# KiCad board Wonderland.kicad_pcb (continued)
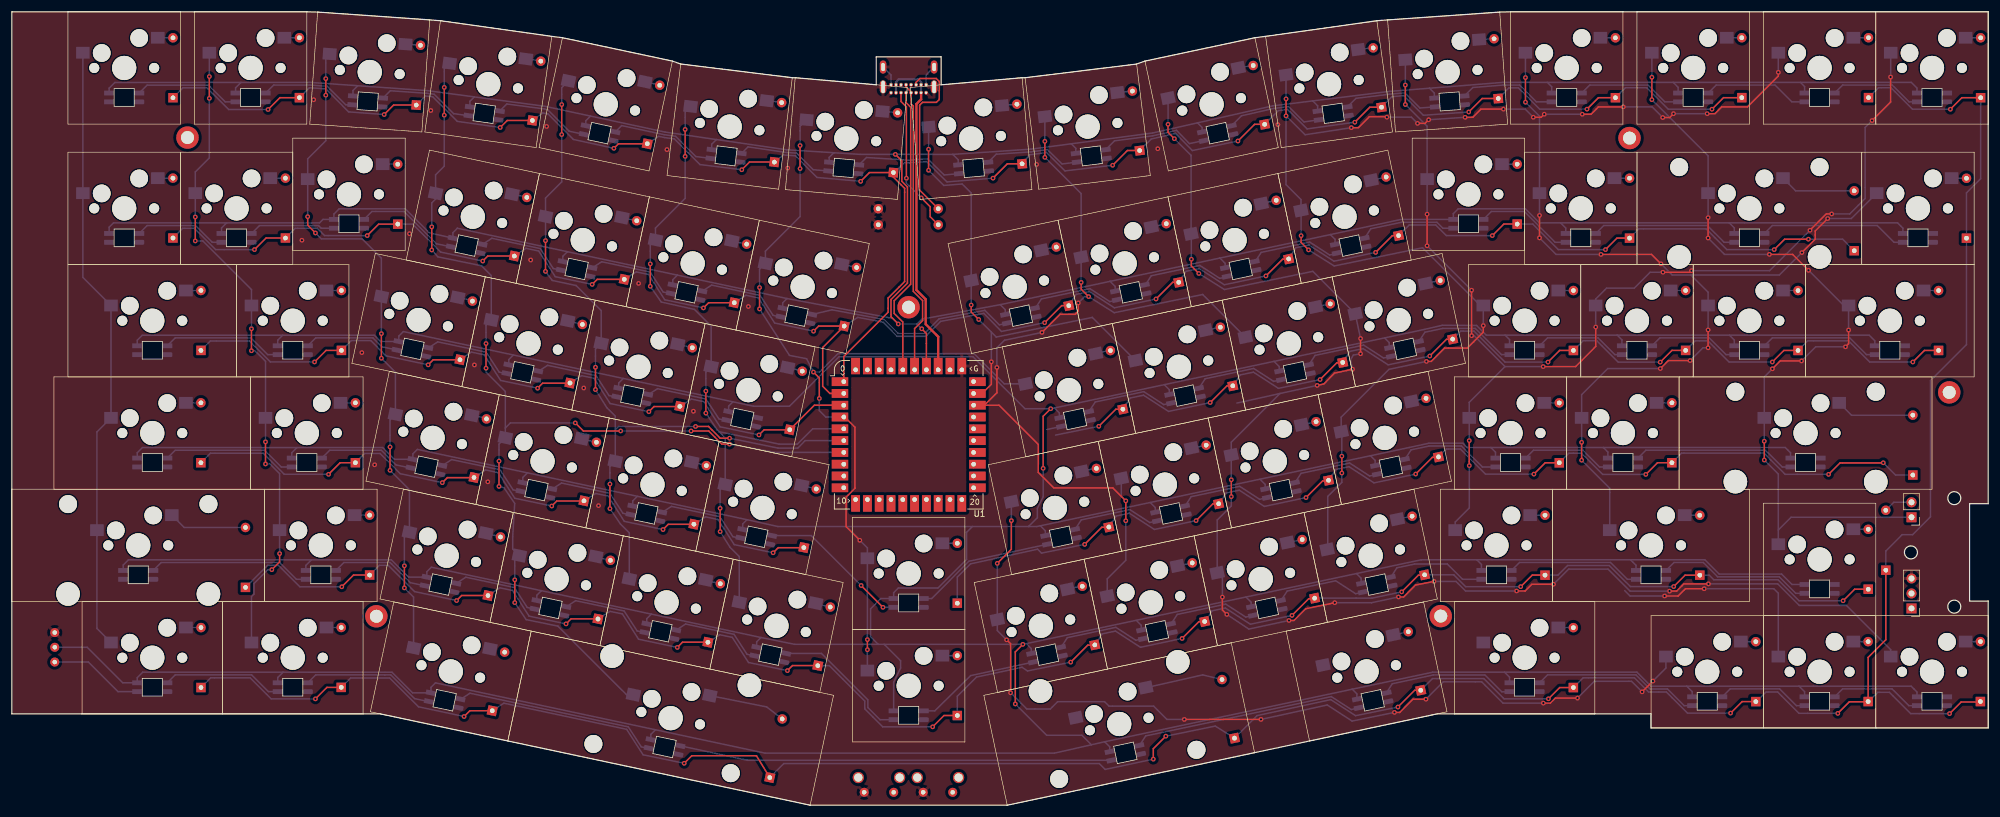
[diagram p0: board, top side]
## Nets (continued)
row04: DE0.1 DE1.1 DE2.1 DE3.1 DE4.1 DE5.1 DE6.1 DE7.1 DE8.1 DE9.1 DE10.1 DE11.1 DE12.1 DE13.1 U1.15
row05: DF0.1 DF1.1 DF2.1 DF3.1 DF4.1 DF5.1 DF6.1 DF7.1 DF8.1 DF9.1 DF10.1 DF11.1 DF12.1 DF13.1 U1.16
Net-(DA0-A): DA0.2 KA0.2
Net-(DA1-A): DA1.2 KA1.2
Net-(DA2-A): DA2.2 KA2.2
Net-(DA3-A): DA3.2 KA3.2
Net-(DA4-A): DA4.2 KA4.2
Net-(DA5-A): DA5.2 KA5.2
Net-(DA6-A): DA6.2 KA6.2
Net-(DA7-A): DA7.2 KA7.2
Net-(DA8-A): DA8.2 KA8.2
Net-(DA9-A): DA9.2 KA9.2
Net-(DA10-A): DA10.2 KA10.2
Net-(DA11-A): DA11.2 KA11.2
Net-(DA12-A): DA12.2 KA12.2
Net-(DA13-A): DA13.2 KA13.2
Net-(DB0-A): DB0.2 KB0.2
Net-(DB1-A): DB1.2 KB1.2
Net-(DB2-A): DB2.2 KB2.2
Net-(DB3-A): DB3.2 KB3.2
Net-(DB4-A): DB4.2 KB4.2
Net-(DB5-A): DB5.2 KB5.2
Net-(DB6-A): DB6.2 KB6.2
Net-(DB7-A): DB7.2 KB7.2
Net-(DB8-A): DB8.2 KB8.2
Net-(DB9-A): DB9.2 KB9.2
Net-(DB10-A): DB10.2 KB10.2
Net-(DB11-A): DB11.2 KB11.2
Net-(DB12-A): DB12.2 KB12.2
Net-(DB13-A): DB13.2 KB13.2
Net-(DC0-A): DC0.2 KC0.2
Net-(DC1-A): DC1.2 KC1.2
Net-(DC2-A): DC2.2 KC2.2
Net-(DC3-A): DC3.2 KC3.2
Net-(DC4-A): DC4.2 KC4.2
Net-(DC5-A): DC5.2 KC5.2
Net-(DC6-A): DC6.2 KC6.2
Net-(DC7-A): DC7.2 KC7.2
Net-(DC8-A): DC8.2 KC8.2
Net-(DC9-A): DC9.2 KC9.2
Net-(DC10-A): DC10.2 KC10.2
Net-(DC11-A): DC11.2 KC11.2
Net-(DC12-A): DC12.2 KC12.2
Net-(DD0-A): DD0.2 KD0.2
Net-(DD1-A): DD1.2 KD1.2
Net-(DD2-A): DD2.2 KD2.2
Net-(DD3-A): DD3.2 KD3.2
Net-(DD4-A): DD4.2 KD4.2
Net-(DD5-A): DD5.2 KD5.2
Net-(DD6-A): DD6.2 KD6.2
Net-(DD7-A): DD7.2 KD7.2
Net-(DD8-A): DD8.2 KD8.2
Net-(DD9-A): DD9.2 KD9.2
Net-(DD10-A): DD10.2 KD10.2
Net-(DD11-A): DD11.2 KD11.2
Net-(DD13-A): DD13.2 KD13.2
Net-(DE1-A): DE1.2 KE1.2
Net-(DE2-A): DE2.2 KE2.2
Net-(DE3-A): DE3.2 KE3.2
Net-(DE4-A): DE4.2 KE4.2
Net-(DE5-A): DE5.2 KE5.2
Net-(DE6-A): DE6.2 KE6.2
Net-(DE7-A): DE7.2 KE7.2
Net-(DE8-A): DE8.2 KE8.2
Net-(DE9-A): DE9.2 KE9.2
Net-(DE10-A): DE10.2 KE10.2
Net-(DE11-A): DE11.2 KE11.2
Net-(DE12-A): DE12.2 KE12.2
Net-(DE13-A): DE13.2 KE13.2
Net-(DF0-A): DF0.2 KF0.2
Net-(DF1-A): DF1.2 KF1.2
Net-(DF2-A): DF2.2 KF2.2
Net-(DF3-A): DF3.2 KF3.2
Net-(DF4-A): DF4.2 KF4.2
Net-(DF5-A): DF5.2 KF5.2
Net-(DF6-A): DF6.2 KF6.2
Net-(DF7-A): DF7.2 KF7.2
Net-(DF8-A): DF8.2 KF8.2
Net-(DF9-A): DF9.2 KF9.2
Net-(DF10-A): DF10.2 KF10.2
Net-(DF11-A): DF11.2 KF11.2
Net-(DF12-A): DF12.2 KF12.2
Net-(JUSB1-CC1): JUSB1.A5 R1.2
Net-(JUSB1-CC2): JUSB1.B5 R2.2

Pads without a net: JUSB1 A8 B8; MountTopMiddle1 1; MountTopMiddle2 1; MountTopMiddle3 1; MountTopMiddle4 1; MountTopMiddle5 1; MountTopMiddle6 1; RSW0 3; RSW1 3; U1 11 12 13 17 20 21 22 32 37 38

## Via types
v1: diameter 0.8, hole 0.4, Top to Bottom, 281 vias

## Routing (per net, layer and track width the routed paths; a pad name or vN(x,y) marks a point on that pad's centre or on a via; arc(x,y) is an arc through that point)
+5V: length 57.1
  Top w0.4: JUSB1.A9 154.12,119.71 153.33,118.92 153.33,87.36 154.9,85.79 154.9,81.57 157.02,79.45 U1.33
  Bottom w0.4: JUSB1.A9 JUSB1.B4 154.12,122.63 153.65,123.1 150.34,123.1 149.88,122.63 JUSB1.B9 JUSB1.A4
GND: length 7.1
  Bottom w0.254: JUSB1.P3 154.97,123.84 JUSB1.B1 ; JUSB1.P4 149.03,123.84 JUSB1.B12
  vias: v1(49.17,95.81) v1(51.16,119.64) v1(59.33,76.75) v1(61.5,57.73) v1(67.4,96.92) v1(71.02,117.81) v1(78.41,74.66) v1(80.68,54.84) v1(87.95,92.46) v1(90.65,115.11) v1(96.94,70.75) v1(99.44,50.8) v1(106.24,88.49) v1(111.05,111.18) v1(115.53,66.81) v1(124.85,84.57) v1(131.52,108.05) v1(173.69,108.66) v1(194.24,111.33) v1(214.59,115.41)
VCC: length 2108.4
  Top w0.254: v1(170.09,17.17) 170.09,26 v1(171.37,27.28) ; v1(176.09,67.24) 174.81,65.96 v1(174.81,57.13) ; U1.34 155.02,80 v1(154.23,80.79) ; v1(150.26,81.61) 149.03,82.84 149.03,85.77 151.81,88.55 151.81,104.85 150.85,105.81 150.85,109.28 v1(149.76,110.37)
  Bottom w0.254: 123.88,46.78 123.88,47.69 124.61,48.42 ; 50.78,41.61 64.33,41.61 67.26,38.68 KE2.3 ; 50.78,41.61 49.84,40.67 KE1.3 ; 50.78,41.61 19.76,41.61 18.88,40.73 KE0.3 ; KA12.3 261.01,121.84 260.27,122.58 ; 48.33,60.65 22.14,60.65 21.26,59.77 KD0.3 ; 48.33,60.65 62.87,60.65 64.86,58.66 KD2.3 ; 48.33,60.65 47.46,59.78 KD1.3 ; 240.29,121.59 233.5,121.05 220.5,119.44 ; 240.29,121.59 241.12,120.76 KA11.3 ; 240.29,121.59 252.76,122.58 260.27,122.58 ; 291.1,98.76 291.96,97.9 KB13.3 ; 291.1,98.76 262.51,98.76 ; 291.1,98.76 319.63,98.76 320.54,97.85 KF12.3 ; 112.81,89.89 112.81,89.89 112.03,89.11 KB5.3 ; 112.81,89.89 94.18,93.86 ; 112.81,89.89 131.39,85.92 ; 71.11,40.36 70.35,39.6 70.35,38.68 ; 153.41,81.61 v1(154.23,80.79) ; 153.41,81.61 154.31,82.44 167.53,84.88 ; 153.41,81.61 v1(150.26,81.61) 149.32,82.55 131.39,85.92 ; 227.99,18.01 227.99,18.88 227.2,19.67 ; 283.9,20.18 277.84,20.18 275.46,22.56 253.01,22.56 ; 283.9,20.18 302.94,20.18 ; 283.9,20.18 284.82,19.26 KF7.3 ; 174.33,47.38 175.18,46.54 175.18,45.72 ; 269.76,60.66 300.6,60.66 301.49,59.77 KD13.3 ; 269.76,60.66 270.53,59.89 KD12.3 ; 269.76,60.66 250.69,60.66 ; 45.97,22.55 22.19,22.56 21.26,21.63 KF0.3 18.8,20.76 12.78,26.78 J4.2 ; 45.97,22.55 63.25,22.55 64.44,22.55 67.93,19.06 KF2.3 ; 45.97,22.55 45.08,21.66 KF1.3 ; 176.71,67.36 177.56,66.52 177.56,65.7 ; 147.86,27.28 171.37,27.28 v1(171.37,27.28) 238.89,41.62 248.31,41.62 ; 147.86,27.28 150.65,24.49 150.65,23.26 149.47,20.86 KE6.3 ; 147.86,27.28 146.85,27.28 ; 204.76,92.79 223.49,96.77 ; 204.76,92.79 186.16,88.84 ; 204.76,92.79 205.65,91.9 KB9.3 ; 223.49,96.77 235.49,99.34 KB11.3 244.34,100.32 244.34,100.32 245.16,101.14 256.55,101.14 258.93,98.76 262.51,98.76 ; 223.49,96.77 223.49,96.77 224.29,95.97 KB10.3 ; 154.1,76.07 162.9,76.07 162.9,76.07 171.73,67.24 176.13,67.24 239.37,80.67 242.47,81.39 248.27,81.36 249.92,79.71 253.11,79.71 ; 154.1,76.07 154.11,76.07 155.02,75.16 U1.34 ; 154.1,76.07 140.22,76.07 131.81,67.66 125.72,67.66 66.36,80.32 ; 162.82,47.26 129.85,47.26 124.61,48.42 68.74,60.34 ; 162.82,47.26 172.36,47.26 ; 162.82,47.26 161.83,46.27 161.83,41.68 156.98,36.83 150.26,36.83 149.47,36.04 KD6.3 147.31,35.05 145.56,33.3 145.56,28.57 146.85,27.28 ; 200.97,115.72 201.75,114.94 KA9.3 ; 200.97,115.72 193.36,114 179.57,112.17 ; 200.97,115.72 213.72,118.6 220.5,119.44 ; 303.17,122.58 281.6,122.58 ; 303.17,122.58 321.96,122.58 322.92,121.62 KF11.3 ; 303.17,122.58 303.87,121.88 KF10.3 ; 281.6,122.58 260.27,122.58 ; 281.6,122.58 282.44,121.74 KA13.3 ; 103.64,72.37 102.87,71.59 102.87,70.73 ; 38.84,122.57 37.93,121.66 KA1.3 ; 38.84,122.57 17.46,122.56 16.5,121.6 KA0.3 ; 38.84,122.57 50.54,122.58 58.64,122.01 ; 302.94,20.18 321.94,20.18 322.92,19.2 KF9.3 ; 302.94,20.18 303.87,19.25 KF8.3 ; 262.51,98.76 263.39,97.88 KB12.3 ; 71.05,19.07 71.05,19.99 71.81,20.74 ; KC11.3 272.91,78.92 272.12,79.71 ; 195.34,71.32 196.19,70.46 196.19,69.67 ; 192.96,51.34 193.81,50.48 193.81,49.69 ; 213.94,75.27 214.83,74.38 214.83,73.63 ; 86.61,54.7 86.61,55.58 87.39,56.36 ; 94.18,93.86 75.52,97.84 75.52,97.84 74.76,97.08 KB3.3 ; 94.18,93.86 94.17,93.86 93.4,93.09 KB4.3 ; 233.46,77.59 233.46,78.45 232.67,79.25 ; 107.62,30.76 107.62,31.63 108.4,32.4 ; 248.31,41.62 274.37,41.62 ; 248.31,41.62 249.1,40.83 KE11.3 ; KC12.3 291.96,78.88 291.13,79.71 ; 274.37,41.62 275.29,40.7 KE12.3 ; 274.37,41.62 286.97,41.62 289.39,39.2 299.97,39.2 301.74,37.43 KE13.3 ; KA6.3 138.54,109.86 139.33,110.65 139.33,110.65 ; 253.01,22.56 240.84,22.56 227.19,19.67 185.23,10.76 ; 253.01,22.56 253.86,21.71 KF6.3 ; 230.29,59.27 231.08,58.47 231.08,57.61 ; 139.33,110.65 131.31,111.15 119.42,112.88 ; 139.33,110.65 143.79,110.37 150.85,110.37 159.49,110.37 ; 71.81,20.75 127.68,8.83 176.72,8.83 182.99,10.25 ; 220.5,119.44 221.34,118.6 KA10.3 ; 122.23,68.4 121.5,67.68 121.5,66.77 ; 185.23,10.76 186.09,9.9 KF4.3 ; 185.23,10.76 182.99,10.25 ; 159.49,110.37 160.42,109.44 KA7.3 ; 159.49,110.37 159.49,110.37 172.76,111.26 179.57,112.17 ; 186.16,88.84 187.02,87.98 KB8.3 ; 186.16,88.84 167.53,84.88 ; KD11.3 251.48,59.87 250.69,60.66 ; 58.64,122.01 70.43,121.18 78.39,120.12 ; 58.64,122.01 57.83,121.2 KA2.3 ; 108.32,11.15 108.32,12.01 109.1,12.79 ; 191.43,29.71 191.43,30.5 190.58,31.36 ; 272.12,79.71 253.11,79.71 ; 272.12,79.71 291.13,79.71 ; 253.11,79.71 253.86,78.96 KC10.3 ; 84.23,74.69 84.23,75.57 85.01,76.34 ; 291.13,79.71 314.82,79.71 315.77,78.76 KC13.3 ; KC2.3 62.5,78.64 61.44,79.7 45.91,79.7 ; 167.53,84.88 167.54,84.88 168.38,84.04 KB7.3 ; KB0.3 16.5,98.02 17.23,98.75 36.41,98.75 ; 119.42,112.88 119.42,112.88 118.63,112.09 KA5.3 ; 119.42,112.88 110.73,114.15 98.08,116.86 ; 131.39,85.92 131.39,85.92 130.66,85.19 KB6.3 ; 172.8,25.74 172.8,26.56 171.95,27.4 ; 211.56,55.29 212.45,54.4 212.45,53.65 ; KA3.3 77.65,119.38 78.39,120.12 78.39,120.12 ; 78.39,120.12 90.36,118.52 98.08,116.86 ; 45.08,77.91 45.08,78.87 45.91,79.7 ; 126.25,26.8 126.25,27.71 126.98,28.44 132.71,27.28 146.85,27.28 ; 68.74,60.34 67.98,59.58 67.98,58.66 ; 126.98,28.44 108.4,32.4 71.11,40.36 ; 182.99,10.25 181.38,11.86 175.4,11.86 v1(170.09,17.17) ; KB1.3 35.55,97.89 36.41,98.75 ; 172.36,47.26 173.75,47.26 236.84,60.66 240.21,61.39 245.95,61.39 246.68,60.66 250.69,60.66 ; 172.36,47.26 172.36,47.29 173.83,48.76 173.83,50.33 174.82,52.3 174.82,57.12 v1(174.81,57.13) ; KC0.3 21.26,78.85 22.11,79.7 45.91,79.7 ; 210.07,33.67 210.07,34.42 209.18,35.31 ; 36.41,98.75 52.15,98.75 52.74,99.34 KB2.3 54.6,100.25 55.49,101.14 66.69,101.14 70.77,97.06 74.77,96.16 ; 66.36,80.32 65.6,79.56 65.6,78.65 ; 179.57,112.17 179.57,112.17 180.35,111.39 KA8.3 ; 227.91,39.29 228.7,38.49 228.7,37.63 ; 98.08,116.86 98.08,116.86 97.29,116.07 KA4.3 ; 88.98,34.72 88.98,35.6 89.76,36.38 ; 106.03,52.38 105.25,51.61 105.25,50.74
/IN_A0: length 18.1
  Bottom w0.254: KA0.6 22.93,122.11 33.34,122.11 36.17,119.28 KA1.4
/IN_A1: length 16.6
  Bottom w0.254: KA1.6 44.38,122.12 50.56,122.12 53.45,121.92 56.59,118.78 KA2.4
/IN_A2: length 16.4
  Bottom w0.254: 77.43,116.92 74.89,117.28 74.88,117.28 71.59,120.57 70.35,120.73 64.15,121.16 KA2.6
/IN_A3: length 16.4
  Bottom w0.254: KA3.6 83.9,118.91 90.28,118.07 90.81,117.96 94.47,114.3 94.48,114.3 96.98,113.76
/IN_A4: length 18.3
  Bottom w0.254: KA4.6 103.36,115.25 110.58,113.71 112.51,113.43 115.95,110 118.49,109.68
/IN_A5: length 16.4
  Bottom w0.254: KA5.6 124.78,111.64 131.32,110.69 133.02,110.59 135.83,107.77 138.39,107.55
/IN_A6: length 18.6
  Bottom w0.254: 160.59,107.1 158.03,106.88 155.21,109.62 152.03,109.39 144.86,109.84 KA6.6
/IN_A7: length 16.7
  Bottom w0.254: 180.55,109.06 178.01,108.74 175.53,111.17 172.77,110.8 166.86,110.4 KA7.6
/IN_A8: length 18.5
  Bottom w0.254: KA8.6 186.91,112.67 193.39,113.52 197.42,114.45 199.6,112.19 202.1,112.73
/IN_A9: length 16.8
  Bottom w0.254: KA9.6 208.43,116.92 213.83,118.15 216.42,118.47 219.01,115.87 221.55,116.23
/IN_A10: length 16.6
  Bottom w0.254: 241.23,118.42 238.67,118.24 236.1,120.8 233.53,120.58 227.83,119.87 KA10.6
/IN_A11: length 16.6
  Bottom w0.254: 260.97,119.28 258.41,119.28 255.56,122.13 252.78,122.13 247.64,121.71 KA11.6
/IN_A12: length 18.1
  Bottom w0.254: KA12.6 267.46,122.13 277.33,122.13 280.19,119.28 KA13.4
/IN_A13: length 18.1
  Bottom w0.254: KF10.4 301.71,119.28 298.86,122.13 288.89,122.13 KA13.6
/IN_B0: length 15.7
  Bottom w0.254: KB1.4 33.98,95.46 31.14,98.3 22.93,98.3 KB0.6
/IN_B1: length 14.7
  Bottom w0.254: KB2.4 52.45,97.84 51.99,98.3 41.98,98.3 KB1.6
/IN_B2: length 17.6
  Bottom w0.254: 74.45,94.68 71.95,95.22 66.48,100.68 66.48,100.69 61.04,100.69 KB2.6
/IN_B3: length 15.7
  Bottom w0.254: 79.76,95.1 81.36,96.14 89.58,94.39 91.78,91.01 93.09,90.73
/IN_B4: length 15.7
  Bottom w0.254: 98.38,91.12 99.98,92.16 108.2,90.41 110.4,87.03 111.71,86.75
/IN_B5: length 15.7
  Bottom w0.254: 130.34,82.79 129.03,83.07 126.83,86.45 118.61,88.2 117.01,87.16
/IN_B6: length 36.5
  Bottom w0.254: KB6.6 139.02,84.01 147.87,82.36 150.23,80 154.69,80 157.19,82.49 164.93,83.91 164.93,83.91 167.38,81.46 168.69,81.74
/IN_B7: length 15.7
  Bottom w0.254: 187.43,85.68 186.11,85.4 182.73,87.6 174.51,85.85 173.47,84.25
/IN_B8: length 15.7
  Bottom w0.254: 206.06,89.62 204.74,89.34 201.36,91.54 193.14,89.79 192.1,88.19
/IN_B9: length 15.7
  Bottom w0.254: 224.69,93.58 223.37,93.3 219.99,95.5 211.77,93.75 210.73,92.15
/IN_B10: length 16.4
  Bottom w0.254: KB11.4 242.57,97.84 241.56,98.85 235.51,98.85 230.34,97.75 229.3,96.15
/IN_B11: length 16.7
  Bottom w0.254: KB12.4 261.59,95.46 256.36,100.69 250.78,100.69 KB11.6
/IN_B12: length 25.2
  Bottom w0.254: KB13.4 290.23,95.46 287.38,98.31 269.83,98.31 KB12.6
/IN_B13: length 25.2
  Bottom w0.254: KB13.6 298.41,98.31 316.18,98.31 319.03,95.46 KF12.4
/IN_C0: length 20.4
  Bottom w0.254: KC0.6 27.7,79.25 40.53,79.25 43.37,76.41 45.08,76.41
/IN_C1: length 16.3
  Bottom w0.254: 65.22,77.21 62.71,77.74 61.2,79.25 51.51,79.25 KC1.6
/IN_C2: length 15.7
  Bottom w0.254: 83.92,73.17 82.61,73.44 80.41,76.83 72.19,78.57 70.59,77.53
/IN_C3: length 15.7
  Bottom w0.254: 89.21,73.55 90.81,74.59 99.03,72.85 101.23,69.46 102.54,69.19
/IN_C4: length 15.7
  Bottom w0.254: 121.17,65.23 119.86,65.5 117.66,68.89 109.44,70.63 107.84,69.59
/IN_C5: length 2.6
  Bottom w0.254: 175.41,63.71 177.92,64.24
/IN_C6: length 15.7
  Bottom w0.254: 182.6,66.78 183.64,68.38 191.86,70.13 195.24,67.94 196.56,68.22
/IN_C7: length 15.7
  Bottom w0.254: 201.23,70.72 202.27,72.32 210.49,74.07 213.87,71.87 215.19,72.15
/IN_C8: length 15.7
  Bottom w0.254: 233.82,76.11 232.5,75.83 229.12,78.03 220.9,76.28 219.86,74.68
/IN_C9: length 18.1
  Bottom w0.254: 238.48,78.61 239.52,80.21 242.55,80.86 248.05,80.86 252.5,76.41 253.84,76.41
/IN_C10: length 15.7
  Bottom w0.254: KC10.6 260.31,79.26 268.85,79.26 271.7,76.41 KC11.4
/IN_C11: length 15.7
  Bottom w0.254: KC11.6 279.36,79.26 287.7,79.26 290.55,76.41 KC12.4
/IN_C12: length 20.4
  Bottom w0.254: KC12.6 298.41,79.26 311.51,79.26 314.36,76.41 KC13.4
/IN_D0: length 22.8
  Bottom w0.254: KD1.4 45.67,57.36 42.83,60.2 27.7,60.2 KD0.6
/IN_D1: length 16.7
  Bottom w0.254: KD1.6 53.89,60.2 62.64,60.2 65.13,57.71 67.63,57.17
/IN_D2: length 15.7
  Bottom w0.254: 72.95,57.57 74.55,58.61 82.77,56.87 84.97,53.48 86.28,53.21
/IN_D3: length 15.7
  Bottom w0.254: 91.57,53.59 93.17,54.63 101.39,52.89 103.59,49.5 104.9,49.23
/IN_D4: length 15.7
  Bottom w0.254: 110.2,49.63 111.8,50.67 120.02,48.93 122.22,45.54 123.53,45.27
/IN_D5: length 25.7
  Top w0.254: v1(147.66,33.56) v1(143.96,37.26)
  Bottom w0.254: KD5.6 135.5,45.72 v1(143.96,37.26) ; v1(147.66,33.56) 147.67,33.55 KD6.4
/IN_D6: length 23.9
  Bottom w0.254: KD7.4 162.21,41.37 155.92,35.05 KD6.6
/IN_D7: length 15.7
  Bottom w0.254: 180.23,46.78 181.27,48.38 189.49,50.13 192.87,47.94 194.19,48.22
/IN_D8: length 15.7
  Bottom w0.254: 212.82,52.15 211.5,51.87 208.12,54.07 199.9,52.32 198.86,50.72
/IN_D9: length 15.7
  Bottom w0.254: 217.49,54.68 218.53,56.28 226.75,58.03 230.13,55.83 231.45,56.11
/IN_D10: length 17.7
  Bottom w0.254: 236.14,58.66 237.18,60.27 240.21,60.91 245.71,60.91 249.26,57.36 KD11.4
/IN_D11: length 15.7
  Bottom w0.254: KD11.6 257.92,60.21 266.27,60.21 269.12,57.36 KD12.4
/IN_D12: length 27.6
  Bottom w0.254: KD12.6 276.97,60.21 297.23,60.21 300.08,57.36 KD13.4
/IN_E0: length 27.6
  Bottom w0.254: KE1.4 48.24,38.31 45.39,41.16 25.32,41.16 KE0.6
/IN_E1: length 17.1
  Bottom w0.254: KE1.6 56.28,41.16 64.13,41.16 64.35,40.94 64.35,40.93 67.55,37.74 70.05,37.2
/IN_E2: length 15.7
  Bottom w0.254: 75.35,37.62 76.95,38.66 85.17,36.92 87.37,33.53 88.68,33.26
/IN_E3: length 15.7
  Bottom w0.254: 93.97,33.64 95.57,34.68 103.79,32.94 105.99,29.55 107.3,29.28
/IN_E4: length 15.7
  Bottom w0.254: 125.93,25.32 124.62,25.59 122.42,28.98 114.2,30.72 112.6,29.68
/IN_E5: length 23.7
  Bottom w0.254: KE5.6 137.23,25.74 145.1,17.87 145.1,16.56 147.16,14.5 KE6.4
/IN_E6: length 21.3
  Bottom w0.254: 173.2,24.28 170.69,23.75 162.52,21.98 156.44,16 KE6.6
/IN_E7: length 15.7
  Bottom w0.254: 191.83,28.25 190.51,27.97 187.13,30.16 178.91,28.41 177.87,26.81
/IN_E8: length 15.7
  Bottom w0.254: 210.46,32.18 209.14,31.9 205.76,34.1 197.54,32.35 196.5,30.75
/IN_E9: length 15.7
  Bottom w0.254: 215.13,34.71 216.17,36.31 224.39,38.06 227.77,35.86 229.09,36.14
/IN_E10: length 17.4
  Bottom w0.254: KE11.4 245.9,38.31 243.3,40.91 237.8,40.91 234.77,40.26 233.73,38.66
/IN_E11: length 22.8
  Bottom w0.254: KE12.4 273.83,38.31 270.97,41.17 255.55,41.17 KE11.6
/IN_E12: length 26.2
  Bottom w0.254: KE12.6 281.75,41.17 286.7,41.17 289.14,38.73 299.57,38.73 302.37,35.93 KE13.4
/IN_F0: length 20.4
  Bottom w0.254: KF1.4 43.49,19.26 40.65,22.1 27.7,22.1 KF0.6
/IN_F1: length 22.9
  Bottom w0.254: 70.77,17.54 68.27,18.08 64.25,22.1 63.2,22.1 51.51,22.1 KF1.6
/IN_F2: length 34.7
  Bottom w0.254: 108,9.62 106.69,9.9 104.49,13.28 77.65,18.99 76.05,17.95
/IN_F3: length 73.4
  Bottom w0.254: KF4.4 124.65,7.62 ; KF3.6 124.68,7.62
/IN_F4: length 39.4
  Bottom w0.254: 228.34,16.5 227.03,16.22 223.65,18.42 192.19,11.75 191.15,10.15
/IN_F5: length 23.2
  Bottom w0.254: 232.95,19 233.99,20.6 240.94,22.09 249.7,22.08 252.55,19.23 253.89,19.23
/IN_F6: length 28.6
  Bottom w0.254: KF6.6 260.31,22.11 275.27,22.11 277.67,19.71 280.63,19.71 283.46,16.88 KF7.4
/IN_F7: length 15.7
  Bottom w0.254: KF7.6 291.26,19.73 299.64,19.73 302.49,16.88 KF8.4
/IN_F8: length 15.7
  Bottom w0.254: KF8.6 310.31,19.73 318.69,19.73 321.54,16.88 KF9.4
/IN_F10: length 15.7
  Bottom w0.254: KF10.6 310.32,122.13 318.72,122.13 321.57,119.28 KF11.4
/KC13_out: length 2.6
  Bottom w0.254: DC13.2 324.03,87.28 KC13.2
/KD12_out: length 2.6
  Bottom w0.254: KD12.2 281.37,68.23 DD12.2
/KE0_out: length 13.3
  Bottom w0.254: DE0.2 29.21,47.1 KE0.2
/SW99B: length 4.9
  Bottom w0.254: DF13.2 318.99,51.37 J2.2
col00: length 104
  Bottom w0.254: 12.05,127.61 KB0.1 12.05,89.51 KC0.1 KD0.1 14.43,63.31 KE0.1 14.43,29.97 KF0.1
col01: length 110.8
  Top w0.254: v1(31.1,99.76) v1(31.1,95.69) ; v1(44.07,39.94) 45.39,41.26 v1(45.39,42.67) ; v1(40.62,80.8) v1(40.62,77.07) ; v1(43,61.62) v1(43,57.87) ; v1(33.48,123.57) v1(33.48,119.87)
  Bottom w0.254: v1(43,61.62) 43.01,61.63 KD1.1 43.01,75.27 41.21,77.07 v1(40.62,77.07) ; v1(33.48,123.57) 33.48,123.57 33.48,127.61 ; v1(44.07,39.94) 43.4,39.94 41.05,37.59 41.05,35.8 40.63,35.38 KF1.1 ; v1(31.1,99.76) KB1.1 31.1,107.39 33.48,109.77 v1(33.48,119.87) ; v1(31.1,95.69) 32.38,95.69 40.62,87.45 KC1.1 40.62,80.81 v1(40.62,80.8) ; v1(43,57.87) 43.75,57.87 45.39,56.23 KE1.1 45.39,42.67 v1(45.39,42.67)
col02: length 115.2
  Top w0.254: v1(66.54,40.6) v1(66.54,36.85) ; v1(62.64,79.97) v1(62.64,75.8) ; v1(50.15,99.81) 50.15,98.36 v1(51.47,97.04) ; v1(64.11,60.75) v1(64.11,56.79) ; v1(53.22,123.21) v1(53.22,120.41)
  Bottom w0.254: v1(53.22,123.21) 53.22,126.75 KA2.1 ; v1(62.64,75.8) 65.02,73.42 KD2.1 64.11,65.36 v1(64.11,60.75) ; v1(50.15,99.81) KB2.1 50.15,109.61 53.22,112.68 v1(53.22,120.41) ; v1(62.64,79.97) 62.64,79.97 KC2.1 62.64,92.77 59.37,96.04 52.47,96.04 v1(51.47,97.04) ; KF2.1 68.1,35.29 v1(66.54,36.85) ; v1(66.54,40.6) 66.54,45.43 KE2.1 67.4,53.5 v1(64.11,56.79)
col03: length 189.9
  Top w0.254: v1(85.25,38.22) v1(85.25,34.36) ; v1(103.2,63.47) 96.87,63.47 v1(95.51,64.83) ; v1(115.14,63.46) 118.12,63.46 120.34,61.24 v1(121.65,61.24) ; v1(71.18,98.08) v1(71.18,94.16) ; v1(82.58,54.07) v1(82.58,58.35) ; v1(73.3,121.73) v1(73.3,117.02) ; v1(80.38,78.29) v1(80.38,74.11)
  Bottom w0.254: KF3.1 104.19,18.74 92.56,30.37 87.18,31.47 v1(85.25,34.36) ; U1.7 129.31,59.84 v1(121.65,61.24) ; KA3.1 73.3,124.91 v1(73.3,121.73) ; 83.65,63.97 84.51,64.83 v1(95.51,64.83) ; 83.65,63.97 83.65,70.17 80.38,73.44 v1(80.38,74.11) ; 83.65,63.97 KD3.1 82.58,61.24 v1(82.58,58.35) ; v1(71.18,98.08) 71.18,102.14 71.83,102.79 KB3.1 71.83,106.9 73.3,108.37 v1(73.3,117.02) ; v1(103.2,63.47) 103.21,63.46 v1(115.14,63.46) ; v1(71.18,94.16) 72.22,92.99 79.61,91.48 81.27,89.82 KC3.1 80.38,81.4 v1(80.38,78.29) ; v1(82.58,54.07) 83.44,53.81 85.24,51.18 84.9,45.51 84.9,43.46 KE3.1 85.25,41.54 v1(85.25,38.22)
col04: length 135.1
  Top w0.254: v1(101.38,54.46) v1(101.38,50.3) ; v1(98.93,74.27) v1(98.93,70.49) ; v1(121.66,62.24) 120.08,62.24 118.09,64.23 v1(115.89,64.23) ; v1(93.21,118.82) v1(93.21,113.73) ; v1(90.46,95.74) v1(90.46,90.53)
  Bottom w0.254: U1.6 134.47,61.83 133.23,60.56 129.87,60.56 v1(121.66,62.24) ; v1(98.93,74.27) 98.93,77.36 KC4.1 99.9,83.88 95.65,88.13 95.65,88.13 91.6,88.99 v1(90.46,90.53) ; v1(93.21,113.73) 93.21,105.71 90.46,102.96 KB4.1 90.46,95.74 v1(90.46,95.74) ; v1(101.38,50.3) 103.16,47.69 104.67,46.18 KE4.1 ; v1(101.38,54.46) 101.38,57.44 KD4.1 102.29,63.63 ; KA4.1 93.21,121.68 v1(93.21,118.82) ; v1(115.89,64.23) 102.89,64.23 102.29,63.63 ; 102.29,63.63 102.29,65.98 100.84,67.43 v1(98.93,70.49)
col05: length 118.6
  Top w0.254: v1(108.22,91.8) v1(108.22,88) ; v1(117.64,70.22) v1(117.64,66.49) ; v1(120.06,50.35) v1(120.06,46.4) ; v1(114.13,114.6) v1(114.13,110.03)
  Bottom w0.254: KA5.1 114.13,117.58 v1(114.13,114.6) ; U1.5 135.75,63.83 133.15,61.23 130.07,61.23 119.9,63.34 ; v1(117.64,66.49) 119.54,63.68 120.92,62.3 KD5.1 120.06,53.53 v1(120.06,50.35) ; v1(117.64,70.22) 117.64,73.47 KC5.1 118.54,81.24 115.7,84.08 110.08,85.33 v1(108.22,88) ; KE5.1 123.3,42.17 121.75,43.72 v1(120.06,46.4) ; v1(108.22,91.8) 108.22,94.97 KB5.1 109.1,97.88 114.13,102.91 v1(114.13,110.03)
col06: length 147.1
  Top w0.254: U1.4 141.17,65.83 142.9,64.1 142.9,53.73 141.42,52.25 141.42,47.24 v1(143.73,44.93) ; v1(136.87,68.98) 136.87,72.46 v1(135.88,73.45) ; v1(145.02,28.08) v1(145.02,26.37) ; v1(133.61,111.87) v1(133.61,107.96) ; v1(126.74,87.78) v1(126.74,84.16)
  Bottom w0.254: v1(143.73,44.93) 145.02,43.64 KD6.1 145.02,37.29 145.02,37.29 v1(145.02,28.08) ; KC6.1 168.21,71.46 163.09,76.58 140.03,76.58 136.9,73.45 v1(135.88,73.45) 134.71,75.72 131.81,76.28 v1(126.74,84.16) ; v1(133.61,107.96) 133.61,99.83 127.73,93.95 KB6.1 126.74,90.9 v1(126.74,87.78) ; v1(133.61,111.87) 133.61,115.14 KA6.1 ; KE6.1 145.02,26.37 v1(145.02,26.37) ; v1(136.87,68.98) 136.87,66.92 137.96,65.83 U1.4
col07: length 240.9
  Top w0.254: v1(167.03,41.01) 169.42,43.4 v1(169.42,48.26) ; U1.29 164.47,69.83 166.03,71.39 v1(166.03,75.2) ; v1(211.73,14.55) v1(198.74,14.55) ; v1(234.35,15.74) 235.26,15.74 237.5,17.98 v1(239.69,17.98) ; 162.62,84.78 162.62,83.64 v1(163.89,82.37) ; v1(259.59,17.31) 260.78,17.31 261.64,18.17 v1(265.38,18.17) ; v1(278.16,21.05) v1(276.33,19.22) ; 169.29,19.05 169.29,27.37 v1(168.61,28.05) ; v1(155.39,111.24) v1(155.39,107.68)
  Bottom w0.254: v1(169.29,19.07) 172.04,16.32 176.03,16.32 177.27,17.56 185.21,17.56 185.97,16.8 193.54,16.8 195.79,14.55 v1(198.74,14.55) ; v1(162.61,84.82) 162.61,84.82 KB7.1 162.61,103.82 161.08,105.35 157.97,105.1 v1(155.39,107.68) ; KC7.1 183.14,82.72 183.14,82.72 166.87,79.4 166.86,79.4 166.03,80.23 ; v1(234.35,15.74) 227.17,14.27 222.96,17 v1(211.73,14.55) ; 166.03,80.23 v1(166.03,75.2) ; 166.03,80.23 v1(163.89,82.37) ; v1(265.38,18.17) 268.22,21.01 274.54,21.01 v1(276.33,19.22) ; KA7.1 v1(155.39,111.24) ; v1(239.69,17.98) 242.64,20.93 249.13,20.93 252.75,17.31 v1(259.59,17.31) ; v1(278.16,21.05) 280.37,23.26 KF7.1 ; v1(169.42,48.26) 169.42,48.26 KD7.1 ; v1(167.03,41.01) 167.04,41 KE7.1 167.04,29.62 v1(168.61,28.05)
col08: length 191.1
  Top w0.254: v1(174.61,80.18) 177.68,83.25 180.25,83.25 180.76,83.76 v1(180.76,85.18) ; v1(188.82,48.24) v1(188.82,51.61) 186.62,53.81 176.6,53.81 173.98,56.43 173.98,61.18 167.33,67.83 U1.28 164.85,67.83 166.97,69.95 v1(166.97,74.24) ; v1(286.85,36.71) 283.68,36.71 282.45,35.48 v1(280.14,35.48) ; v1(181.25,88.66) 181.25,87.52 v1(182.52,86.25) ; v1(175.1,112.58) v1(175.1,109.87)
  Bottom w0.254: v1(188.82,51.61) 188.06,52.37 KD8.1 ; v1(180.76,85.18) 181.83,86.25 v1(182.52,86.25) 186.86,83.52 201.84,86.61 201.85,86.61 KC8.1 ; KF8.1 299.42,35.95 298.66,36.71 v1(286.85,36.71) ; KA8.1 175.1,112.58 v1(175.1,112.58) ; v1(280.14,35.48) 274.29,35.48 273.38,36.39 ; v1(188.82,48.24) 188.82,41.53 185.68,38.39 KE8.1 ; v1(181.25,88.66) 181.25,88.66 KB8.1 181.25,103.72 181.25,103.72 v1(175.1,109.87) ; v1(174.61,80.18) 168.26,78.85 166.97,77.56 v1(166.97,74.24)
col09: length 261.9
  Top w0.254: v1(287.58,37.53) 283.4,37.53 282.18,36.31 v1(280.98,36.31) ; v1(197.05,113.03) 195.98,114.1 v1(195.98,115.47) ; v1(199.93,92.59) 199.93,91.45 v1(201.2,90.18) ; v1(227.25,73.93) 224.17,73.27 222.4,71.44 v1(221.26,71.19) ; v1(255.06,36.33) 256.52,36.33 257.66,37.47 v1(261.31,37.47) ; v1(241.06,37.95) 237.92,37.34 235.91,35.32 v1(235.04,35.32) ; v1(228.61,79.14) v1(228.61,76.56) ; v1(216.47,31.33) 217.33,31.33 219.32,33.32 v1(224.24,34.34) 224.23,34.34 ; v1(205.19,35.29) 205.19,33.11 v1(205.94,32.36) ; v1(206.7,55.19) v1(206.7,52.33)
  Bottom w0.254: KF9.1 318.47,26.37 310.96,33.88 302.97,33.88 299.32,37.53 v1(287.58,37.53) ; v1(280.98,36.31) 274.29,36.31 270.56,40.04 263.88,40.04 v1(261.31,37.47) ; 199.93,96.87 199.93,92.59 ; KB9.1 199.88,110.2 v1(197.05,113.03) ; v1(216.47,31.33) 209.67,29.87 v1(205.94,32.36) ; v1(201.2,90.18) 205.54,87.45 220.52,90.53 ; v1(205.19,35.29) 205.19,38.54 KE9.1 204.31,48.36 206.7,50.75 v1(206.7,52.33) ; 227.75,83.31 220.53,90.53 ; v1(195.98,115.47) 195.98,115.47 KA9.1 ; v1(228.61,79.14) KC9.1 ; 214.96,69.82 207.66,68.2 ; 214.96,69.82 v1(221.26,71.19) ; 214.96,69.82 206.69,61.55 KD9.1 206.69,55.2 v1(206.7,55.19) ; v1(228.61,76.56) 227.38,76.33 226.91,75.52 v1(227.25,73.93) ; v1(235.04,35.32) 230.47,34.34 v1(224.24,34.34) ; v1(255.06,36.33) 246.41,36.33 245.13,37.61 244.79,37.95 v1(241.06,37.95)
col10: length 219.4
  Top w0.254: v1(281.66,117.27) 281.01,116.62 v1(279.83,116.62) ; v1(227.05,114.9) 228.24,114.9 230.1,116.76 232.99,116.76 v1(233.07,116.68) ; v1(259.75,117.18) 259.24,116.67 v1(257.89,116.67) ; v1(239.77,75.26) 240.59,75.26 242.85,77.52 246.71,77.52 249.41,80.22 v1(249.41,81.33) ; v1(218.53,96.59) 218.53,95.45 v1(219.8,94.18) ; v1(299.42,124.28) 299.42,123.65 294.19,118.42 289.82,118.42 288.67,117.27 v1(287.36,117.27) ; v1(252.82,118.04) 249.02,118.04 247.64,116.66 v1(246.33,116.66) ; v1(238.27,115.63) 239.54,115.63 v1(240.15,116.24) ; v1(215.98,119.78) v1(215.98,116.91) ; v1(273.15,118.42) 268.93,118.42 267.69,117.18 v1(266.19,117.18) ; v1(225.44,59.19) v1(225.44,56.33)
  Bottom w0.254: v1(252.82,118.04) 256.52,118.04 v1(257.89,116.67) ; KA10.1 215.98,119.78 v1(215.98,119.78) ; v1(281.66,117.27) v1(287.36,117.27) ; v1(233.07,116.68) 237.22,116.68 v1(238.27,115.63) ; 299.42,127.61 299.42,124.28 v1(299.42,124.28) ; v1(273.15,118.42) 278.03,118.42 v1(279.83,116.62) ; 223.05,43.42 223.05,52.37 225.44,54.76 v1(225.44,56.33) ; KD10.1 225.33,65.81 233.43,73.92 239.76,75.26 ; v1(240.15,116.24) v1(246.33,116.66) ; v1(219.8,94.18) 224.14,91.45 239.12,94.53 248.91,84.74 KC10.1 249.41,81.33 v1(249.41,81.33) ; 225.43,63.4 225.43,59.2 ; 218.53,100.87 218.53,96.59 ; v1(259.75,117.18) v1(266.19,117.18) ; v1(227.05,114.9) 219.21,113.7 v1(215.98,116.91) 215.98,105.24 218.51,102.71 KB10.1
col11: length 194.6
  Top w0.254: v1(236.2,122.13) v1(236.2,118.83) ; v1(239.89,100.23) v1(239.89,94.87) ; v1(318.45,123.49) 318.45,119.25 v1(315.31,116.11) ; v1(247.04,57.59) 247.04,58.22 247.03,58.23 v1(247.03,61.83) ; v1(268.47,81.09) 268.47,77.79 265.06,74.38 v1(259.57,74.38) ; v1(304.79,97.5) 304.79,97.52 307.54,100.27 v1(308.46,100.27) ; v1(247.43,79.62) v1(247.43,87.33) ; v1(284.7,90.65) 284.43,90.38 v1(279.86,90.38)
  Bottom w0.254: KE11.1 244.65,48.02 247.04,50.41 v1(247.04,57.59) ; v1(236.2,118.83) 239.89,115.14 KB11.1 239.89,100.23 v1(239.89,100.23) ; v1(318.45,123.49) 318.47,123.51 318.47,127.61 ; v1(236.2,122.13) 236.2,122.13 KA11.1 ; v1(279.86,90.38) 277.69,90.38 275,87.69 270.31,87.69 268.46,85.84 KC11.1 268.46,81.1 v1(268.47,81.09) ; v1(247.43,79.62) 247.85,79.62 253.09,74.38 ; v1(304.79,97.5) 297.94,90.65 v1(284.7,90.65) ; 253.09,74.38 247.03,68.32 247.03,61.83 v1(247.03,61.83) ; 253.09,74.38 v1(259.57,74.38) ; v1(315.31,116.11) 314.13,114.93 314.13,102.88 311.52,100.27 v1(308.46,100.27) ; v1(247.43,87.33) 239.89,94.87
col12: length 161.9
  Top w0.254: v1(279.42,74.05) 280.77,75.4 v1(284.47,75.4) ; v1(307.79,99.49) 305.67,97.37 305.67,95.98 v1(303.41,93.72) ; v1(258.94,100.02) v1(258.94,96.21) ; v1(266.08,61.54) v1(266.08,58.51) ; v1(279.53,91.81) 277.93,93.41 v1(269.35,93.41) ; v1(256.56,123.4) v1(256.56,119.22) ; v1(287.52,80.6) v1(287.52,77.57)
  Bottom w0.254: v1(287.52,77.57) 286.64,77.57 v1(284.47,75.4) ; 284.59,89.92 287.51,87 KC12.1 287.51,80.61 v1(287.52,80.6) ; 284.59,89.92 281.42,89.92 v1(279.53,91.81) ; 284.59,89.92 299.6,89.92 303.4,93.72 v1(303.41,93.72) ; v1(256.56,119.22) 258.94,116.84 KB12.1 258.94,100.02 v1(258.94,100.02) ; 256.56,127.61 256.56,123.4 v1(256.56,123.4) ; v1(279.42,74.05) 270.51,74.05 266.08,69.62 KD12.1 v1(266.08,61.54) ; v1(307.79,99.49) 307.79,99.49 311.78,99.49 KF12.1 ; v1(266.08,58.51) 270.84,53.75 270.84,53.05 270.84,53.05 KE12.1 ; v1(269.35,93.41) 261.74,93.41 v1(258.94,96.21)
